# KiCad board TRS80_Model_I_Keyboard_Alps_Full_E1.kicad_pcb
title: TRS-80 Model I Keyboard Alps Full; date: 2023-12-22; rev: E1A; company: Marcel Erz
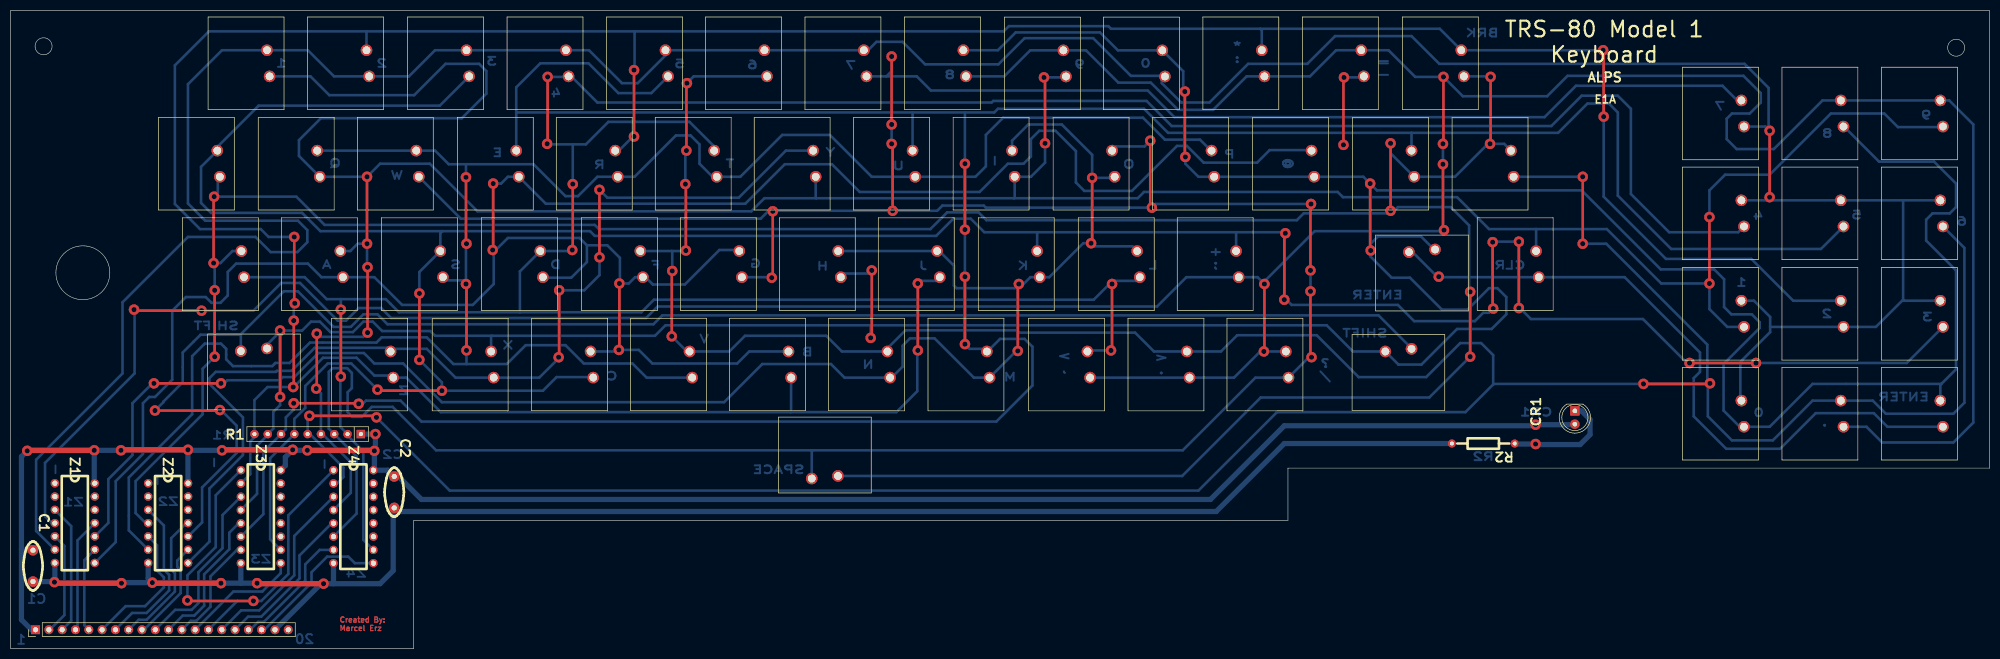
[diagram p0: board, top side]
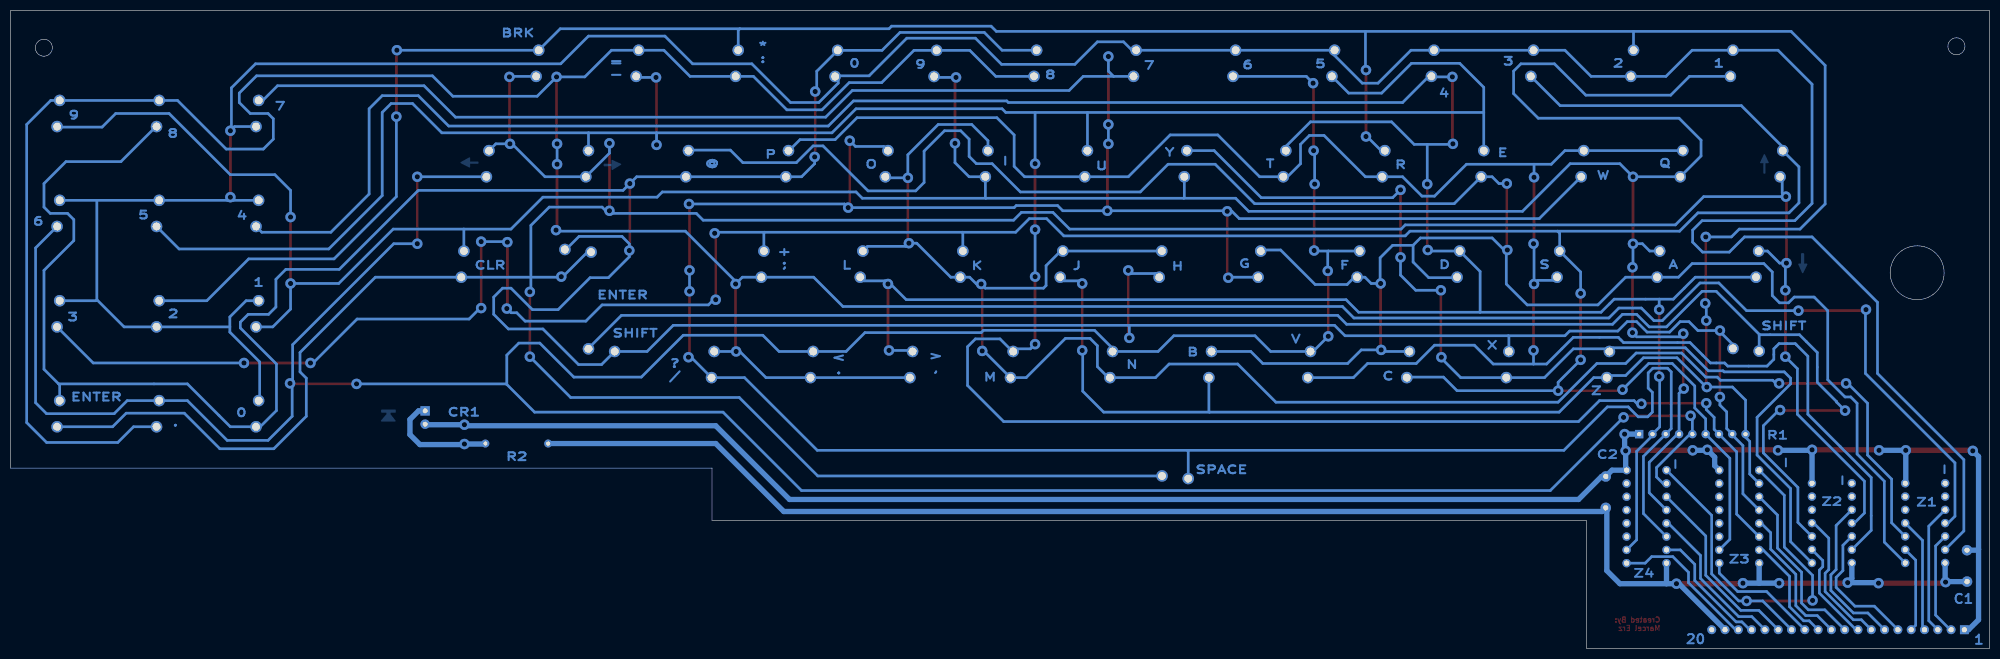
[diagram p1: board, bottom side, seen from below]

Outline 378 x 122 mm; copper layers: Top, Bottom. Coordinates in mm from the lower left corner of the outline.
Outline path: circle c6.33,115.15 r1.62 ; circle c13.82,71.85 r5.15 ; circle c371.62,114.88 r1.62 ; 0,122 378,122 378,34.5 244,34.5 244,24.5 77,24.5 77,0 0,0 0,122
Stack: Top 0.035mm / dielectric 1.51mm FR4 er 4.5 / Bottom 0.035mm

## Placement (name value [footprint] x y rotation side)
C1  0.1uF  [TRS80_Model_I_C_Disc_9.5L_4W_6P_Small]  4.3 15.8 270 top
C2  0.1uF  [TRS80_Model_I_C_Disc_9.5L_4W_6P_Small]  73.3 29.9 270 top
CR1  RED 5mm  [LED_D5.0mm]  298.8 45.44 270 top
J1  Connection Keyboad Side  [PinHeader_1x20_P2.54mm_Vertical]  4.8 3.6 90 top
R1  4.7k  [R_Array_SIP9]  66.92 41 180 top
R2  330  [TRS80_Model_I_R_0.25W]  281.3 39.2 180 top
SW1  @  [SW_Matias_1.00u]  249 90.2 270 top
SW2  H  [SW_Matias_1.00u]  158.6 71 270 top
SW3  P  [SW_Matias_1.00u]  229.9 90.2 270 top
SW4  X  [SW_Matias_1.00u]  92.3 51.8 270 top
SW5  0  [SW_Matias_1.00u]  220.5 109.38 270 top
SW6  8  [SW_Matias_1.00u]  182.5 109.4 270 top
SW7  ENTER  [SW_Matias_1.00u]  272.1 76.3 0 top
SW8  LSHIFT  [SW_Matias_1.00u]  49 57.38 0 top
SW9  RSHIFT  [SW_Matias_1.00u]  267.6 57.3 0 top
SW10  A  [SW_Matias_1.00u]  63.5 71 270 top
SW11  I  [SW_Matias_1.00u]  191.8 90.2 270 top
SW12  Q  [SW_Matias_1.00u]  59.08 90.2 270 top
SW13  Y  [SW_Matias_1.00u]  153.8 90.2 270 top
SW14  1  [SW_Matias_1.00u]  49.5 109.4 270 top
SW15  9  [SW_Matias_1.00u]  201.6 109.38 270 top
SW16  CLEAR  [SW_Matias_1.00u]  291.9 71 270 top
SW17  B  [SW_Matias_1.00u]  149.1 51.8 270 top
SW18  J  [SW_Matias_1.00u]  177.5 71 270 top
SW19  R  [SW_Matias_1.00u]  116 90.2 270 top
SW20  Z  [SW_Matias_1.00u]  73.1 51.8 270 top
SW21  2  [SW_Matias_1.00u]  68.5 109.4 270 top
SW22  :  [SW_Matias_1.00u]  239.5 109.4 270 top
SW23  BREAK  [SW_Matias_1.00u]  277.6 109.4 270 top
SW24  C  [SW_Matias_1.00u]  111.3 51.8 270 top
SW25  K  [SW_Matias_1.00u]  196.6 71 270 top
SW26  S  [SW_Matias_1.00u]  82.6 71 270 top
SW27  3  [SW_Matias_1.00u]  87.6 109.4 270 top
SW28  ;  [SW_Matias_1.00u]  234.6 71 270 top
SW29  UP  [SW_Matias_1.00u]  40 90.2 270 top
SW30  D  [SW_Matias_1.00u]  101.7 71 270 top
SW31  L  [SW_Matias_1.00u]  215.7 71 270 top
SW32  T  [SW_Matias_1.00u]  134.9 90.2 270 top
SW33  4  [SW_Matias_1.00u]  106.6 109.4 270 top
SW34  ,  [SW_Matias_1.00u]  206.2 51.8 270 top
SW35  DOWN  [SW_Matias_1.00u]  44.6 71 270 top
SW36  E  [SW_Matias_1.00u]  97.1 90.2 270 top
SW37  M  [SW_Matias_1.00u]  187 51.8 270 top
SW38  U  [SW_Matias_1.00u]  172.8 90.2 270 top
SW39  5  [SW_Matias_1.00u]  125.6 109.4 270 top
SW40  -  [SW_Matias_1.00u]  258.5 109.4 270 top
SW41  LEFT  [SW_Matias_1.00u]  268.1 90.2 270 top
SW42  F  [SW_Matias_1.00u]  120.8 71 270 top
SW43  N  [SW_Matias_1.00u]  168 51.8 270 top
SW44  V  [SW_Matias_1.00u]  130.2 51.8 270 top
SW45  6  [SW_Matias_1.00u]  144.5 109.4 270 top
SW46  .  [SW_Matias_1.00u]  225.2 51.8 270 top
SW47  RIGHT  [SW_Matias_1.00u]  287.1 90.2 270 top
SW48  G  [SW_Matias_1.00u]  139.7 71 270 top
SW49  O  [SW_Matias_1.00u]  210.9 90.2 270 top
SW50  W  [SW_Matias_1.00u]  78 90.2 270 top
SW51  7  [SW_Matias_1.00u]  163.5 109.4 270 top
SW52  /  [SW_Matias_1.00u]  244.1 51.8 270 top
SW53  SPACE  [SW_Matias_1.00u]  153.05 32.5 180 top
SW54  0  [SW_Matias_1.00u]  331.1 42.4 270 top
SW55  8  [SW_Matias_1.00u]  350.1 99.8 270 top
SW56  ENTER  [SW_Matias_1.00u]  369.1 42.4 270 top
SW57  1  [SW_Matias_1.00u]  331.1 61.5 270 top
SW58  9  [SW_Matias_1.00u]  369.1 99.8 270 top
SW59  2  [SW_Matias_1.00u]  350.1 61.5 270 top
SW60  3  [SW_Matias_1.00u]  369.1 61.5 270 top
SW61  4  [SW_Matias_1.00u]  331.1 80.7 270 top
SW62  5  [SW_Matias_1.00u]  350.1 80.7 270 top
SW63  6  [SW_Matias_1.00u]  369.1 80.7 270 top
SW64  .  [SW_Matias_1.00u]  350.1 42.4 270 top
SW65  7  [SW_Matias_1.00u]  331.1 99.8 270 top
Z1  74LS05  [TRS80_Model_I_DIP14]  12.29 23.98 270 top
Z2  74LS05  [TRS80_Model_I_DIP14]  30.11 23.98 270 top
Z3  74LS368  [TRS80_Model_I_DIP16]  47.81 25.21 270 top
Z4  74LS368  [TRS80_Model_I_DIP16]  65.51 25.21 270 top

## Library data of the parts
C1 C2 = -: Description: Unpolarized capacitor
CR1 = -: Description: Light emitting diode
J1 = -: Description: Generic connector, single row, 01x20, script generated (kicad-library-utils/schlib/autogen/connector/)
R1 = -: Description: 8 resistor network, star topology, bussed resistors, split
R2 = -: Description: Resistor
SW1-SW65 = -: Description: Push button switch, generic, two pins
Z1 Z2 = -: Description: Inverter Open Collect
Z3 Z4 = -: Description: Hex buffer 3-State outputs

## Footprints (pads in the part's own frame, mm; a bottom-side part is the same pattern mirrored in y, then rotated)
LED_D5.0mm
  rect 1.8x1.8 hole 0.9: 1(0,0)
  round 1.8 hole 0.9: 2(2.54,0)
PinHeader_1x20_P2.54mm_Vertical
  rect 1.7x1.7 hole 1: 1(0,0)
  oval 1.7x1.7 hole 1: 2(0,-2.54) 3(0,-5.08) 4(0,-7.62) 5(0,-10.16) 6(0,-12.7) 7(0,-15.24) 8(0,-17.78) 9(0,-20.32) 10(0,-22.86) 11(0,-25.4) 12(0,-27.94) 13(0,-30.48) 14(0,-33.02) 15(0,-35.56) 16(0,-38.1) 17(0,-40.64) 18(0,-43.18) 19(0,-45.72) 20(0,-48.26)
R_Array_SIP9
  rect 1.6x1.6 hole 0.8: 1(0,0)
  oval 1.6x1.6 hole 0.8: 2(2.54,0) 3(5.08,0) 4(7.62,0) 5(10.16,0) 6(12.7,0) 7(15.24,0) 8(17.78,0) 9(20.32,0)
SW_Matias_1.00u
  round 2.2 hole 1.5: 1(0,0) 2(-5,-0.5)
TRS80_Model_I_C_Disc_9.5L_4W_6P_Small
  round 2 hole 1: 1(-3,0) 2(3,0)
TRS80_Model_I_DIP14
  round 1.6 hole 1: 1(-7.62,-3.81) 2(-5.08,-3.81) 3(-2.54,-3.81) 4(0,-3.81) 5(2.54,-3.81) 6(5.08,-3.81) 7(7.62,-3.81) 8(7.62,3.81) 9(5.08,3.81) 10(2.54,3.81) 11(0,3.81) 12(-2.54,3.81) 13(-5.08,3.81) 14(-7.62,3.81)
TRS80_Model_I_DIP16
  round 1.6 hole 1: 1(-8.89,-3.81) 2(-6.35,-3.81) 3(-3.81,-3.81) 4(-1.27,-3.81) 5(1.27,-3.81) 6(3.81,-3.81) 7(6.35,-3.81) 8(8.89,-3.81) 9(8.89,3.81) 10(6.35,3.81) 11(3.81,3.81) 12(1.27,3.81) 13(-1.27,3.81) 14(-3.81,3.81) 15(-6.35,3.81) 16(-8.89,3.81)
TRS80_Model_I_R_0.25W
  round 1.524 hole 0.762: 1(-6,0) 2(6,0)

## Nets
+5V: C1.1 C2.1 CR1.2 J1.1 R1.1 Z1.14 Z2.14 Z3.16 Z4.16
GND: C1.2 C2.2 J1.19 R2.2 Z1.7 Z2.7 Z3.8 Z4.8
/A0: J1.5 Z1.9
/A1: J1.4 Z1.11
/A2: J1.6 Z2.5
/A3: J1.9 Z2.9
/A4: J1.2 Z1.5
/A5: J1.3 Z1.3
/A6: J1.7 Z2.3
/A7: J1.8 Z2.11
/D0: J1.11 Z3.5
/D1: J1.16 Z4.5
/D2: J1.10 Z3.3
/D3: J1.13 Z3.9
/D4: J1.18 Z4.9
/D5: J1.12 Z3.7
/D6: J1.15 Z4.3
/D7: J1.17 Z4.7
/~{KYBD}: J1.14 Z3.1 Z4.1
Net-(CR1-K): CR1.1 R2.1
Net-(R1A-R1.2): R1.2 SW30.2 SW31.1 SW32.2 SW33.1 SW34.2 SW35.1 SW61.1 Z4.10
Net-(R1B-R2.2): R1.3 SW48.1 SW49.2 SW50.1 SW51.1 SW52.1 SW53.1 SW65.2 Z4.6
Net-(R1C-R3.2): R1.4 SW10.2 SW11.1 SW12.1 SW13.1 SW14.1 SW15.1 SW16.2 SW57.1 SW58.1 Z4.4
Net-(R1D-R4.2): R1.5 SW42.2 SW43.2 SW44.2 SW45.1 SW46.2 SW47.1 SW63.1 SW64.2 Z4.2
Net-(R1E-R5.2): R1.6 SW24.1 SW25.2 SW26.2 SW27.1 SW28.2 SW29.2 SW60.1 Z3.10
Net-(R1F-R6.2): R1.7 SW36.2 SW37.2 SW38.2 SW39.1 SW40.1 SW41.2 SW62.1 Z3.6
Net-(R1G-R7.2): R1.8 SW1.1 SW2.1 SW3.1 SW4.2 SW5.2 SW6.2 SW7.1 SW8.1 SW9.2 SW54.1 SW55.1 SW56.2 Z3.4
Net-(R1H-R8.2): R1.9 SW17.1 SW18.1 SW19.2 SW20.1 SW21.2 SW22.2 SW23.2 SW59.2 Z3.2
Net-(SW1-Pad2): SW1.2 SW10.1 SW17.2 SW24.2 SW30.1 SW36.1 SW42.1 SW48.2 Z1.8
Net-(SW8-Pad2): SW8.2 SW9.1 Z2.10
Net-(SW11-Pad2): SW2.2 SW11.2 SW18.2 SW25.1 SW31.2 SW37.1 SW43.1 SW49.1 Z1.10
Net-(SW12-Pad2): SW3.2 SW12.2 SW19.1 SW26.1 SW32.1 SW38.1 SW44.1 SW50.2 Z2.6
Net-(SW13-Pad2): SW4.1 SW13.2 SW20.2 Z2.8
Net-(SW14-Pad2): SW5.1 SW14.2 SW21.1 SW27.2 SW33.2 SW39.2 SW45.2 SW51.2 SW54.2 SW57.2 SW59.1 SW60.2 SW61.2 SW62.2 SW63.2 SW65.1 Z1.6
Net-(SW15-Pad2): SW6.1 SW15.2 SW22.1 SW28.1 SW34.1 SW40.2 SW46.1 SW52.2 SW55.2 SW58.2 SW64.1 Z1.4
Net-(SW16-Pad1): SW7.2 SW16.1 SW23.1 SW29.1 SW35.2 SW41.1 SW47.2 SW53.2 SW56.1 Z2.4

Pads without a net: J1 20; Z1 1 2 12 13; Z2 1 2 12 13; Z3 11 12 13 14 15; Z4 11 12 13 14 15

## Via types
v1: diameter 2, hole 1, Top to Bottom, 140 vias

## Routing (per net, layer and track width the routed paths; a pad name or vN(x,y) marks a point on that pad's centre or on a via; arc(x,y) is an arc through that point)
+5V: length 370.2
  Top w1: v1(21.1,37.9) 21.2,38 v1(33.9,38) ; v1(40.4,37.9) 40.5,38 v1(53.9,38) ; v1(69.5,37.8) 69.4,37.9 v1(56.7,37.9) ; v1(16,37.9) 3.3,37.9 v1(3.2,37.8)
  Bottom w1: 2.1,18.95 2.1,5.5 4,3.6 J1.1 ; 2.1,18.95 2.25,18.8 C1.1 ; 2.1,18.95 2.1,36.7 v1(3.2,37.8) ; Z2.14 33.9,31.62 v1(33.9,38) 34,37.9 v1(40.4,37.9) ; CR1.2 298.7,42.8 v1(291.3,42.8) 291.1,42.6 243.3,42.6 229.2,28.5 78.5,28.5 74.1,32.9 C2.1 72.1,34.1 Z4.16 69.5,34.28 v1(69.5,37.8) 69.7,38 v1(69.7,41) R1.1 ; v1(56.7,37.9) 54,37.9 v1(53.9,38) 52.5,36.6 52.5,34.98 Z3.16 ; Z1.14 16,31.7 v1(16,37.9) v1(21.1,37.9)
GND: length 318.5
  Top w1: v1(47.1,12.5) 47.2,12.4 v1(59.8,12.4) ; v1(27.1,12.6) 27.2,12.5 v1(40.2,12.5) ; v1(21.2,12.5) 8.6,12.5 v1(8.4,12.7)
  Bottom w1: 61.7,12.4 70.6,12.4 73.1,14.9 73.1,26.7 C2.2 74,26.2 230.3,26.2 243.3,39.2 R2.2 ; 61.7,12.4 Z4.8 ; 61.7,12.4 v1(59.8,12.4) 59.32,12.4 J1.19 ; 44,12.5 v1(40.2,12.5) ; 44,12.5 Z3.8 ; 44,12.5 v1(47.1,12.5) ; v1(21.2,12.5) 21.3,12.6 v1(27.1,12.6) 26.3,13.4 Z2.7 ; C1.2 8.1,12.8 8,12.7 v1(8.4,12.7) 8.4,13.1 8.48,13.18 Z1.7
/A0: length 16.5
  Bottom w0.5: J1.5 14.1,4.46 14.1,16.9 Z1.9
/A1: length 21.9
  Bottom w0.5: Z1.11 12.8,20.68 12.8,3.98 J1.4
/A2: length 26.1
  Bottom w0.5: Z2.5 28,19.74 28,14.9 29.3,13.6 29.3,11.7 25.7,8.1 22,8.1 J1.6
/A3: length 20.1
  Bottom w0.5: J1.9 25.5,3.6 32.5,10.6 32.5,15 31.85,15.65 31.85,16.83 Z2.9 33.5,18.9
/A4: length 19.9
  Bottom w0.5: Z1.5 10.3,19.62 10.3,6.4 7.5,3.6 J1.2
/A5: length 24.9
  Bottom w0.5: J1.3 11.6,5.32 11.6,23.4 Z1.3
/A6: length 30.4
  Bottom w0.5: J1.7 23.24,6.8 26,6.8 30.3,11.1 30.3,14.1 29.3,15.1 29.3,23.52 Z2.3
/A7: length 26.7
  Bottom w0.5: Z2.11 33.58,23.98 30.7,21.1 30.7,15.1 31.4,14.4 31.4,10.9 26,5.5 24.48,5.5 J1.8
/D0: length 27.8
  Bottom w0.5: 43.74,23.94 Z3.5 43.59,23.94 41.8,22.15 41.8,19 37,14.2 37,8.2 35.1,6.3 32.9,6.3 J1.11
/D1: length 30.1
  Bottom w0.5: J1.16 45.4,6.1 47.9,6.1 55.2,13.4 55.2,17.8 61.34,23.94 Z4.5 61.44,23.94
/D2: length 34
  Bottom w0.5: J1.10 31.46,7.4 34.6,7.4 35.9,8.7 35.9,14.6 40.5,19.2 40.5,25.52 Z3.3 44,29
/D3: length 22.7
  Bottom w0.5: Z3.9 51.62,14.42 48.1,10.9 42.58,10.9 J1.13
/D4: length 28.8
  Bottom w0.5: J1.18 48.5,3.6 57.5,12.6 57.5,14.58 60.49,17.57 64.53,17.57 65.78,16.32 Z4.9
/D5: length 21
  Bottom w0.5: J1.12 34.44,5.3 35.5,5.3 38.2,8 38.2,13.8 43.26,18.86 Z3.7
/D6: length 36.3
  Bottom w0.5: Z4.3 54.2,21.52 54.2,14 47.5,7.3 44.06,7.3 J1.15
/D7: length 24.4
  Bottom w0.5: J1.17 45.8,3.6 47.3,5.1 48.4,5.1 56.3,13 56.3,16.1 59.06,18.86 Z4.7
/~{KYBD}: length 84.8
  Top w0.5: v1(33.8,9.2) 33.9,9.1 v1(46.4,9.1)
  Bottom w0.5: J1.14 43.32,9.1 v1(46.4,9.1) 47.9,9.1 53.07,14.27 53.07,25.47 Z4.1 ; Z3.1 39.2,29.3 39.2,19.4 33.8,14 v1(33.8,9.2)
Net-(CR1-K): length 21.7
  Bottom w1: R2.1 287.4,39.1 v1(291.3,39.1) 291.4,39 299.8,39 301.7,40.9 301.7,43.8 300.06,45.44 CR1.1
Net-(R1A-R1.2): length 589.6
  Top w0.5: v1(63.1,64.8) v1(63.1,52) ; v1(210.4,69.7) 210.4,57.2 v1(210.2,57) ; v1(107.4,88.8) 107.4,76.3 v1(107.3,76.2) ; v1(102.6,109.3) 102.6,96.6 v1(102.5,96.5)
  Bottom w0.5: 97.3,64.3 74.2,64.3 71.7,66.8 63.1,66.8 ; 97.3,64.3 120.5,64.3 122.9,66.7 206.9,66.7 209.9,69.7 v1(210.4,69.7) 211,70.3 215,70.3 SW31.1 ; 97.3,64.3 97.3,72.1 SW30.2 107.1,76 v1(107.3,76.2) ; SW35.1 56.2,71 60.4,66.8 63.1,66.8 ; v1(63.1,64.8) 63.1,66.8 ; SW61.1 330,79.6 316.8,79.6 309.5,86.9 309.5,103.2 307,105.7 300.1,105.7 294.3,99.9 221.8,99.9 217,104.7 187.7,104.7 187.4,104.4 112.1,104.4 107.1,109.4 SW33.1 106.5,109.3 v1(102.6,109.3) ; SW32.2 134.4,96 129.7,100.7 114.2,100.7 109.9,96.4 107.4,96.4 ; 107.4,96.4 v1(107.4,88.8) ; 107.4,96.4 102.6,96.4 v1(102.5,96.5) ; Z4.10 67.4,20.78 67.4,37.7 64.38,40.72 R1.2 63,42.38 63,51.9 v1(63.1,52) ; v1(210.2,57) 205.9,57 SW34.2
Net-(R1B-R2.2): length 701.9
  Top w0.5: v1(218,84.3) 217.7,84.6 v1(217.7,97.1) ; v1(168.3,100.2) v1(168.3,113.2) ; v1(248.4,85) 248.3,84.9 v1(248.3,72.3) ; v1(145.4,70.9) 145.6,71.1 v1(145.6,83.6) ; v1(168.5,83.7) 168.5,96.3 v1(168.3,96.5) ; v1(248.3,68.3) 248.3,55.9 v1(248.5,55.7)
  Bottom w0.5: v1(168.3,113.2) 168.3,110.4 167.3,109.4 ; 153.2,37.9 81.3,37.9 73,46.2 69,46.2 67.1,44.3 65.3,44.3 64.4,45.2 64.4,49 65.2,49.8 65.2,52.7 64.3,53.6 61.5,53.6 60.8,52.9 60.8,42.04 R1.3 66.1,36.74 66.1,25.8 Z4.6 ; 153.2,37.9 223.9,37.9 237.8,51.8 SW52.1 248,55.7 v1(248.5,55.7) ; 153.2,37.9 153.05,37.75 SW53.1 ; SW50.1 86,82.2 143.3,82.2 144.7,83.6 v1(145.6,83.6) 145.7,83.7 v1(168.5,83.7) 177,83.7 178,84.7 185.9,84.7 186.3,84.3 v1(218,84.3) 218.7,85 v1(248.4,85) ; v1(248.3,68.3) v1(248.3,72.3) ; SW49.2 211.2,96 216.6,96 v1(217.7,97.1) ; SW65.2 329.8,104.8 327,107.6 299,107.6 293,101.6 222.3,101.6 217.2,106.7 175.8,106.7 173.1,109.4 167.3,109.4 ; v1(145.4,70.9) 145.3,71 SW48.1 ; v1(168.3,96.5) v1(168.3,100.2) ; 167.3,109.4 SW51.1
Net-(R1C-R3.2): length 583.8
  Top w0.5: v1(68.1,90.2) v1(68.1,77.4) ; v1(58.5,60.2) 58.5,49.8 v1(58.4,49.7) ; v1(197.4,109.2) 197.6,109 v1(197.6,96.6) ; v1(68.2,72.9) v1(68.2,60.4) ; v1(324.5,82.5) v1(324.5,69.8)
  Bottom w0.5: 153.9,86.1 153.8,86.2 SW13.1 ; 153.9,86.1 144,86.1 141.5,83.6 89.2,83.6 80.1,92.7 70.6,92.7 v1(68.1,90.2) SW12.1 55.1,94.17 55.1,97.2 59.3,101.4 86.2,101.4 90.9,106.1 90.9,110.4 89.5,111.8 83.1,111.8 77.1,105.8 60.9,105.8 57.3,109.4 SW14.1 ; 153.9,86.1 191.7,86.1 ; 291.4,80.2 282.4,80.2 276.3,86.3 254.5,86.3 253.5,87.3 216.5,87.3 215.3,86.1 191.7,86.1 ; 291.4,80.2 SW16.2 ; 291.4,80.2 304.9,80.2 315.3,69.8 v1(324.5,69.8) 324.5,64.9 327.9,61.5 SW57.1 ; 191.7,86.1 191.8,86.2 SW11.1 194.9,90.2 197.6,92.9 v1(197.6,96.6) ; v1(197.4,109.2) 201.43,109.2 SW15.1 ; Z4.4 65,29.78 65,35.6 59.6,41 R1.4 59.3,48.8 v1(58.4,49.7) ; v1(68.2,60.4) 67.4,59.6 59.1,59.6 v1(58.5,60.2) ; v1(68.2,72.9) 68.1,73 v1(68.1,77.4) 66.3,77.4 64.9,76 SW10.2 ; SW58.1 369,99.7 360.5,99.7 357.9,102.3 347.7,102.3 336,90.6 327.5,90.6 324.5,87.6 v1(324.5,82.5)
Net-(R1D-R4.2): length 713.7
  Top w0.5: v1(129.2,108.1) 129.1,108 v1(129.1,95.2) ; v1(300.3,77.4) v1(300.3,90.2) ; v1(69.9,44.2) 69.6,44.5 v1(57.1,44.5) ; v1(126.4,72.2) 126.3,72.1 v1(126.3,59.7) ; v1(129,76.1) 129,88.7 v1(128.9,88.8) ; v1(311.9,50.6) 324.5,50.6 v1(324.6,50.7)
  Bottom w0.5: 283.2,50.5 277.9,45.2 241.9,45.2 226.9,30.2 83.9,30.2 v1(69.9,44.2) ; 283.2,50.5 283.3,50.6 v1(311.9,50.6) ; 283.2,50.5 283.2,56.1 280.9,58.4 276.9,58.4 270.4,51.9 257.5,51.9 249.5,59.9 234.3,59.9 231.2,56.8 SW46.2 218.4,56.8 214.8,60.4 192.6,60.4 192.15,60.85 170.95,60.85 167.5,57.4 SW43.2 158.8,56.8 155.8,59.8 140.3,59.8 137.3,56.8 SW44.2 129.2,56.8 v1(126.3,59.7) ; 126.3,76 126.4,75.9 v1(126.4,72.2) ; 126.3,76 128.9,76 v1(129,76.1) ; 126.3,76 SW42.2 ; v1(57.1,44.5) 56.76,44.16 R1.5 57.2,41 63.6,34.6 63.6,32.8 62.36,31.56 Z4.2 ; SW63.1 373.2,76.6 373.2,47 371.1,44.9 358.2,44.9 355.7,47.4 SW64.2 344.2,47.4 336.6,39.8 328.8,39.8 324.2,44.4 324.2,50.3 v1(324.6,50.7) 324.1,51.2 324.1,58.1 304.8,77.4 v1(300.3,77.4) ; v1(129.2,108.1) 130.5,109.4 SW45.1 ; v1(300.3,90.2) SW47.1 ; v1(129.1,95.2) 128.9,95 v1(128.9,88.8)
Net-(R1E-R5.2): length 588.4
  Top w0.5: v1(78.1,67.9) v1(78.1,55.2) ; v1(320.7,54.6) v1(333.4,54.6) ; v1(283.1,77.7) 283.1,65.1 v1(283.2,65) ; v1(70.1,49.5) 70.3,49.3 v1(82.4,49.3) ; v1(288.1,77.8) v1(288.1,65.1) ; v1(243.5,79.4) 243.3,79.2 v1(243.3,66.7)
  Bottom w0.5: SW25.2 196.1,79.5 196.2,79.6 ; v1(288.1,77.8) 283.2,77.8 v1(283.1,77.7) ; v1(288.1,65.1) 288.3,65.1 290.4,63 311.8,63 320.2,54.6 v1(320.7,54.6) ; v1(243.3,66.7) 243.7,66.7 244.7,65.7 265,65.7 268.1,62.6 279.7,62.6 281.3,64.2 282.4,64.2 v1(283.2,65) ; 82.5,79.8 110.7,79.8 111.6,78.9 176.8,78.9 180.1,82.2 183.4,82.2 186,79.6 196.2,79.6 ; 82.5,79.8 59.2,79.8 55.7,83.3 38.3,83.3 36.4,85.2 36.4,92.1 SW29.2 39.5,95.9 47.4,103.8 82,103.8 SW27.1 ; 82.5,79.8 82.1,79.4 SW26.2 78.1,72 v1(78.1,67.9) ; 196.2,79.6 234,79.6 ; 234,79.6 243.3,79.6 v1(243.5,79.4) ; 234,79.6 234.1,79.5 SW28.2 ; Z3.10 49.6,20.88 49.6,36.38 R1.6 54.22,43.92 56.3,46 56.3,50.2 60.6,54.5 65.1,54.5 v1(70.1,49.5) ; SW60.1 362.2,54.6 v1(333.4,54.6) ; v1(78.1,55.2) 82.4,50.9 v1(82.4,49.3) 101.7,49.3 104.3,51.9 111.2,51.9 SW24.1
Net-(R1F-R6.2): length 599.6
  Top w0.5: v1(254.6,96.3) 254.6,109.1 v1(254.7,109.2) ; v1(182.3,71.1) v1(182.3,58.2) ; v1(66.5,46.8) 66.4,46.9 v1(54.1,46.9) ; v1(182.3,92.7) v1(182.3,80.1)
  Bottom w0.5: SW39.1 122.4,106.2 116.1,106.2 110.4,111.9 101.2,111.9 96.6,107.3 96.6,102.4 ; v1(182.3,92.7) 182.3,102.5 ; 182.3,102.5 172.3,102.5 ; 182.3,102.5 187.9,102.5 188.6,103.2 216.5,103.2 221.1,98.6 254.6,98.6 ; 267.6,98.6 295.6,98.6 301.2,104.2 305.3,104.2 307,102.5 307,86.6 317.2,76.4 345.8,76.4 SW62.1 ; 267.6,98.6 254.6,98.6 ; 267.6,98.6 SW41.2 ; 172.3,102.5 96.7,102.5 96.6,102.4 ; 172.3,102.5 SW38.2 ; 254.6,98.6 v1(254.6,96.3) ; Z3.6 48.3,25.7 48.3,37.62 R1.7 52.6,41.92 52.6,44.2 54.1,45.7 v1(54.1,46.9) ; v1(66.5,46.8) 67.3,46.8 67.9,47.4 74.5,47.4 78.5,43.4 188.3,43.4 195.2,50.3 195.2,57.7 193.7,59.2 189,59.2 186.6,56.8 SW37.2 186,57.3 183.2,57.3 v1(182.3,58.2) ; v1(254.7,109.2) 258.3,109.2 SW40.1 ; 96.6,102.4 SW36.2 ; v1(182.3,71.1) v1(182.3,80.1)
Net-(R1G-R7.2): length 708.5
  Top w0.5: v1(224.3,106.5) 224.3,94.1 v1(224.4,94) ; v1(259.8,76.1) 259.7,76.2 v1(259.7,88.9) ; v1(164.3,59.4) 164.5,59.6 v1(164.5,72.3) ; v1(51.5,60.8) v1(51.5,48.1)
  Bottom w0.5: 368.8,50.6 368.6,50.4 SW56.2 ; 368.8,50.6 371.6,53.4 371.6,72.3 365.9,78 365.9,82 367.1,83.2 370.4,83.2 371.6,84.4 371.6,88.9 367.4,93.1 356.9,93.1 350.2,99.8 SW55.1 ; 368.8,50.6 344.2,50.6 336,42.4 SW54.1 330.3,42.4 327.2,45.5 327.2,54.4 334.1,61.3 334.1,62.4 332.6,63.9 328.7,63.9 327.3,65.3 327.3,70.6 325.4,72.5 315.2,72.5 300.1,87.6 261,87.6 v1(259.7,88.9) 258.4,90.2 SW1.1 SW3.1 226.9,90.2 224.4,92.7 v1(224.4,94) ; SW4.2 91.8,59.7 91.9,59.8 ; SW8.1 49,58.1 51.5,60.6 v1(51.5,60.8) 55.7,60.8 57.4,62.5 59.1,62.5 61.1,60.5 65.4,60.5 67.4,62.5 69.2,62.5 71,60.7 80.2,60.7 81.1,59.8 91.9,59.8 ; v1(164.5,72.3) 163.9,71.7 159.3,71.7 SW2.1 ; v1(51.5,48.1) 51.5,46.55 50.2,45.25 50.2,42.06 R1.8 49.14,40.84 47.1,38.8 47.1,29.58 Z3.4 ; 91.9,59.8 123.1,59.8 125.1,61.8 164.3,61.8 ; v1(224.3,106.5) 224,106.8 224,110.38 SW5.2 211.53,114.38 208.1,117.8 192,117.8 188.6,114.4 SW6.2 ; 164.3,61.8 251.41,61.8 256.41,56.8 SW9.2 265.1,54.3 269.5,54.3 276.3,61.1 282.9,61.1 285.7,63.9 285.7,67.2 284,68.9 282.4,68.9 278.3,64.8 273.4,64.8 267.3,70.9 263.8,70.9 259.8,74.9 v1(259.8,76.1) 259.8,77.4 261.2,78.8 269.4,78.8 271.9,76.3 SW7.1 ; 164.3,61.8 v1(164.3,59.4)
Net-(R1H-R8.2): length 657.8
  Top w0.5: v1(304.3,101.7) 304.3,114.3 v1(304.2,114.4) ; v1(173.3,69.8) v1(173.3,57) ; v1(54,50) 54.1,50.1 v1(54.1,62.7) ; v1(54.2,78.7) 54.2,66.1 v1(54.3,66) ; v1(119.1,110.6) v1(119.1,97.9)
  Bottom w0.5: SW21.2 68,118 ; 68,118 119.2,118 ; 68,118 37.9,118 31.4,111.5 31.4,85 36.2,80.2 47.8,80.2 49.3,78.7 v1(54.2,78.7) ; SW22.2 239,118.2 238.7,118.5 ; 238.7,118.5 210.2,118.5 209.7,119 190.7,119 189.7,118 119.2,118 ; 238.7,118.5 273,118.5 SW23.2 v1(304.2,114.4) ; v1(173.3,69.8) 173.8,70.3 176.8,70.3 SW18.1 ; 149,45.2 149.1,45.3 SW17.1 ; 149,45.2 82.2,45.2 75.6,51.8 SW20.1 72.7,52.2 69.5,52.2 66.1,55.6 59.7,55.6 54.1,50 v1(54,50) 49.1,50 46.6,47.5 R1.9 46.6,40.4 45.8,39.6 45.8,33.36 Z3.2 ; 149,45.2 169.2,45.2 173.2,49.2 173.2,56.9 v1(173.3,57) ; 119.2,118 119.2,110.7 v1(119.1,110.6) ; v1(54.3,66) 54.1,65.8 v1(54.1,62.7) ; SW59.2 340.5,66.5 332.5,74.5 316.2,74.5 304.3,86.4 v1(304.3,101.7) ; SW19.2 116.2,95.2 118.9,97.9 v1(119.1,97.9)
Net-(SW1-Pad2): length 457.4
  Top w0.5: v1(92.2,88.9) 92.2,76.3 v1(92.1,76.2) ; v1(116.3,69.8) 116.3,57.2 v1(116.2,57.1)
  Bottom w0.5: 110.1,77.1 110.1,73.9 107.1,70.9 101.8,70.9 SW30.1 ; 110.1,77.1 108.7,78.5 95,78.5 92.7,76.2 v1(92.1,76.2) 92.3,76 92.3,69.7 88.3,65.7 74.8,65.7 69.5,71 SW10.1 59.4,71 56.8,73.6 43.1,73.6 41.5,72 41.5,67.5 40.1,66.1 38.4,66.1 37.3,67.2 33.5,67.2 30.9,64.6 30.9,51.4 27.6,48.1 26.5,48.1 25.3,46.9 25.3,37.2 20.1,32 20.1,20.36 Z1.8 ; 110.1,77.1 114,77.1 116.4,74.7 116.4,69.9 v1(116.3,69.8) 118.1,69.8 119.3,71 SW42.1 121.3,71 122.7,69.6 128.8,69.6 135.4,76.2 139,76.2 SW48.2 ; SW1.2 248.4,95.3 240.5,95.3 238.1,92.9 227.9,92.9 224.7,96.1 222.8,96.1 214.2,87.5 205.1,87.5 203.5,89.1 203.5,95.1 199.6,99 196.5,99 194.9,97.4 194.9,94.1 193.5,92.7 190.5,92.7 185.1,87.3 162.2,87.3 156.9,92.6 147.9,92.6 140.35,85.05 102.25,85.05 SW36.1 95,90.2 93.7,88.9 v1(92.2,88.9) ; SW24.2 115.9,56.8 v1(116.2,57.1) 120,57.1 122.6,54.5 138.8,54.5 141.1,56.8 SW17.2
Net-(SW8-Pad2): length 305.9
  Top w0.5: v1(40,45.6) 39.9,45.5 v1(27.6,45.5)
  Bottom w0.5: Z2.10 36.6,24.12 36.6,30.8 43.2,37.4 43.2,42.6 40.2,45.6 v1(40,45.6) ; 43.9,60 52.2,68.3 54.9,68.3 61.7,61.5 65,61.5 67.4,63.9 70.1,63.9 72,62 122.8,62 124.5,63.7 261.3,63.7 267.6,57.4 SW9.1 ; 43.9,60 36.3,60 32.9,56.6 32.9,50.9 29.2,47.2 29.2,47.1 v1(27.6,45.5) ; 43.9,60 44,59.9 SW8.2
Net-(SW11-Pad2): length 341.8
  Top w0.5: v1(27.4,50.7) v1(40.2,50.7) ; v1(192.4,56.9) 192.4,69.5 v1(192.6,69.7) ; v1(206.4,77.5) 206.6,77.7 v1(206.6,90)
  Bottom w0.5: SW49.1 210.7,90 v1(206.6,90) 206.6,94.4 200.8,100.2 194.4,100.2 191.3,97.1 SW11.2 ; v1(192.4,56.9) 192.1,56.9 SW37.1 184,51.8 176.5,59.3 171.8,59.3 170.4,57.9 170.4,53.9 168.3,51.8 SW43.1 159.3,51.8 156.7,54.4 143.6,54.4 136.3,47.1 82.4,47.1 75,54.5 69.5,54.5 67.5,56.5 58.8,56.5 54.2,51.9 52,51.9 51.4,51.3 41.4,51.3 40.8,50.7 v1(40.2,50.7) ; SW2.2 SW18.2 177.4,76 180.2,73.2 180.2,69.4 180.7,68.9 191.8,68.9 v1(192.6,69.7) 193.5,69.7 194.8,71 SW25.1 198.4,71 204.9,77.5 v1(206.4,77.5) 207,76.9 214.3,76.9 SW31.2 ; v1(27.4,50.7) 27.1,50.7 23.3,46.9 23.3,37 18.7,32.4 18.7,24.04 Z1.10
Net-(SW12-Pad2): length 396.8
  Top w0.5: v1(87,90.1) 87,77.5 v1(87.1,77.4) ; v1(87.1,57) 87.1,69.6 v1(87,69.7)
  Bottom w0.5: 87.1,54.4 84.6,54.4 79.5,59.5 70.9,59.5 69.9,58.5 57.2,58.5 53.3,54.6 50.6,54.6 50,54 42.5,54 41.2,55.3 41.2,57.3 40.2,58.3 37.1,58.3 34.7,55.9 34.7,44.8 22.6,32.7 22.6,22.6 Z2.6 ; 87.1,54.4 94.8,54.4 98.4,58 106,58 109.5,54.5 118.8,54.5 121.5,51.8 SW44.1 ; 87.1,54.4 v1(87.1,57) ; 87,92.6 99.9,92.6 106,86.5 108.4,86.5 112.1,90.2 SW19.1 119.2,90.2 127.1,98.1 129.9,98.1 131.6,96.4 131.6,92.7 134.1,90.2 SW32.1 139.4,90.2 147.4,98.2 156.5,98.2 164.5,90.2 SW38.1 184.3,90.2 186.3,92.2 186.3,98.2 189.6,101.5 216.3,101.5 220.5,97.3 227.2,97.3 229.3,95.2 SW3.2 ; 87,92.6 v1(87,90.1) ; 87,92.6 83.7,92.6 81.1,95.2 SW50.2 SW12.2 ; v1(87.1,77.4) 87,77.3 v1(87,69.7) 86.3,70.4 83.2,70.4 SW26.1
Net-(SW13-Pad2): length 199.1
  Top w0.5: v1(104.7,55.7) 104.8,55.8 v1(104.8,68.5) ; v1(112.5,87.7) v1(112.5,74.8)
  Bottom w0.5: SW13.2 148.1,95.2 139.1,86.2 114,86.2 v1(112.5,87.7) ; v1(104.7,55.7) 104.7,55.5 101,51.8 SW4.1 85,51.8 79.5,57.3 73.1,57.3 SW20.2 71.9,57.5 58.1,57.5 53.7,53.1 50.9,53.1 50.7,52.9 39.2,52.9 38,51.7 38,50.6 44.4,44.2 44.4,37 38,30.6 38,20.44 Z2.8 ; v1(104.8,68.5) 109.6,68.5 112.5,71.4 v1(112.5,74.8)
Net-(SW14-Pad2): length 626.9
  Top w0.5: v1(336,99) v1(336,86.3)
  Bottom w0.5: SW57.2 333,66.5 336.1,63.4 336.1,61.5 ; 361.5,85.7 SW63.2 ; 361.5,85.7 361.5,66.7 ; 361.5,85.7 336.6,85.7 v1(336,86.3) 335.4,85.7 SW61.2 ; 361.5,66.7 356.3,61.5 SW59.1 336.1,61.5 ; 361.5,66.7 361.7,66.5 SW60.2 ; 336.1,61.5 336.1,60.5 330.4,54.8 330.4,47.6 SW54.2 ; Z1.6 4.9,22.48 4.9,36.1 21.4,52.6 21.4,66.2 33.9,78.7 46.8,78.7 49.7,75.8 54.8,75.8 56.7,77.7 56.7,80 54.9,81.8 37.2,81.8 33.9,85.1 33.9,107.9 40.4,114.4 SW14.2 56.8,114.4 61.8,109.4 SW21.1 76.1,109.4 81.1,114.4 SW27.2 SW33.2 110.5,114.4 116.8,108.1 119.8,108.1 125.1,113.4 SW39.2 SW45.2 SW51.2 163.8,114.4 165.4,116 170.4,116 174.7,111.7 188.7,111.7 193.7,116.7 206.8,116.7 214,109.5 220.38,109.5 SW5.1 219.9,108.78 219.9,108.1 223.6,104.4 229,104.4 236.4,111.8 247.7,111.8 253,117.1 267.6,117.1 272.9,111.8 331.2,111.8 335.8,107.2 335.8,99.2 v1(336,99) 335.2,99.8 SW65.1
Net-(SW15-Pad2): length 718.1
  Top w0.5: v1(273.6,96.5) 273.7,96.6 v1(273.7,109.3) ; v1(23.6,64.8) 23.8,64.6 v1(36.5,64.6) ; v1(239.4,56.8) 239.5,56.9 v1(239.5,69.7) ; v1(273.6,92.6) 273.6,80.2 v1(273.8,80)
  Bottom w0.5: Z1.4 7.92,23.98 6.6,25.3 6.6,35.5 23.7,52.6 23.7,64.7 v1(23.6,64.8) ; v1(273.8,80) 273.6,79.8 249.1,79.8 239.5,70.2 v1(239.5,69.7) 238.2,71 SW28.1 224.6,71 219,65.4 123.6,65.4 121.4,63.2 72.7,63.2 70.8,65.1 66.5,65.1 64.1,62.7 62.5,62.7 55.3,69.9 51.7,69.9 46.4,64.6 v1(36.5,64.6) ; SW64.1 354.5,42.4 357.5,39.4 371.1,39.4 374.9,43.2 374.9,100.2 370.3,104.8 SW58.2 SW55.2 346.1,104.8 336.8,95.5 329.7,95.5 327.8,97.4 327.8,101.3 328.8,102.3 332.2,102.3 334.3,104.4 334.3,106.2 331,109.5 297.4,109.5 293.5,105.6 277.4,105.6 v1(273.7,109.3) 268.3,109.3 263.2,114.4 SW40.2 253.2,114.4 248.2,109.4 SW22.1 236.1,109.4 229.7,103 223,103 217.8,108.2 211.6,108.2 205.43,114.38 SW15.2 194.78,114.38 189.8,109.4 SW6.1 ; v1(273.6,92.6) v1(273.6,96.5) ; SW34.1 SW46.1 233.7,51.8 238.7,56.8 v1(239.4,56.8) SW52.2
Net-(SW16-Pad1): length 673.8
  Top w0.5: v1(278.8,55.8) v1(278.8,68.2) ; v1(282.6,96.5) 282.7,96.6 v1(282.7,109.3) ; v1(38.9,86.4) 38.8,86.3 v1(38.8,73.7) ; v1(263.6,96.6) v1(263.6,83.7) ; v1(39,55.8) v1(39,68.5)
  Bottom w0.5: v1(278.8,68.2) 278.6,68.4 278.6,80.9 275.1,84.4 265,84.4 264.3,83.7 v1(263.6,83.7) 263.1,83.2 247,83.2 245.7,81.9 186.4,81.9 184.9,83.4 178.9,83.4 175.7,80.2 112.4,80.2 111.6,81 60,81 54.6,86.4 v1(38.9,86.4) 39.6,87.1 39.6,89.8 SW29.1 ; SW56.1 358.5,42.4 355.9,45 344.8,45 338,38.2 327.7,38.2 321.5,44.4 321.5,51.7 322.7,52.9 322.7,56.6 308.3,71 SW16.1 272.9,71 v1(272.8,71.1) 272.5,71.1 267.8,75.8 SW7.2 ; v1(263.6,96.6) 263.6,94.7 SW41.1 275.9,90.2 282.2,96.5 v1(282.6,96.5) 285.3,96.5 SW47.2 ; v1(39,68.5) 39,73.5 v1(38.8,73.7) 40.1,73.7 42.4,76 SW35.2 ; v1(282.7,109.3) 282.6,109.4 SW23.1 ; v1(39,55.8) 36.7,53.5 36.7,44.8 23.9,32 23.9,25.9 25.82,23.98 Z2.4 ; v1(278.8,55.8) 271,48 238.8,48 223.8,33 SW53.2

## Copper pours and planes (outline as drawn; the poured copper is in the pictures)
(no net) on Bottom: 307.4,43.4 306.2,44.8 306.2,45.1 307.2,45.1 307.2,45.7 304.4,45.7 304.4,45.1 305.4,45.1 305.4,44.8 304.3,43.4
(no net) on Bottom: 34.7,73.6 35.7,71.6 36.6,73.6 36,73.6 36,75.6 35.4,75.6 35.4,73.6
(no net) on Bottom: 292.2,92.9 290.2,94 290.2,93.1 288.6,93.1 288.6,92.7 290.2,92.7 290.2,91.9
(no net) on Bottom: 263.2,93.5 261.2,92.6 263.2,91.4 263.2,92.2 264.7,92.2 264.7,92.7 263.2,92.7
(no net) on Bottom: 43.9,92.8 43,94.7 42.1,92.8 42.8,92.8 42.8,90.8 43.2,90.8 43.2,92.8

## Text on the board
Bottom: 1 | C1 | 20 | I | Z1 | Z2 | R1 | Z3 | Z4 | C2 | SHIFT | A | Q | 2 | W | Z | S | 3 | E | X | D | 4 | R | C | F | 5 | V | T | 6 | G | SPACE | B | H | Y | 7 | N | U | J | 8 | M | K | > / , | 9 | O | 0 | L | < / . | + / ; | P | * / : | @ | ? / / | ENTER | = / - | BRK | CLR | CR1 | . | R2
Top: Created By: / Marcel Erz
F.Silkscreen: E1A | ALPS | TRS-80 Model 1 / Keyboard
